# Altium PCB LimeSDR-Micro_mPCIe_1v3.PcbDoc (part 1 of 9) (continued)
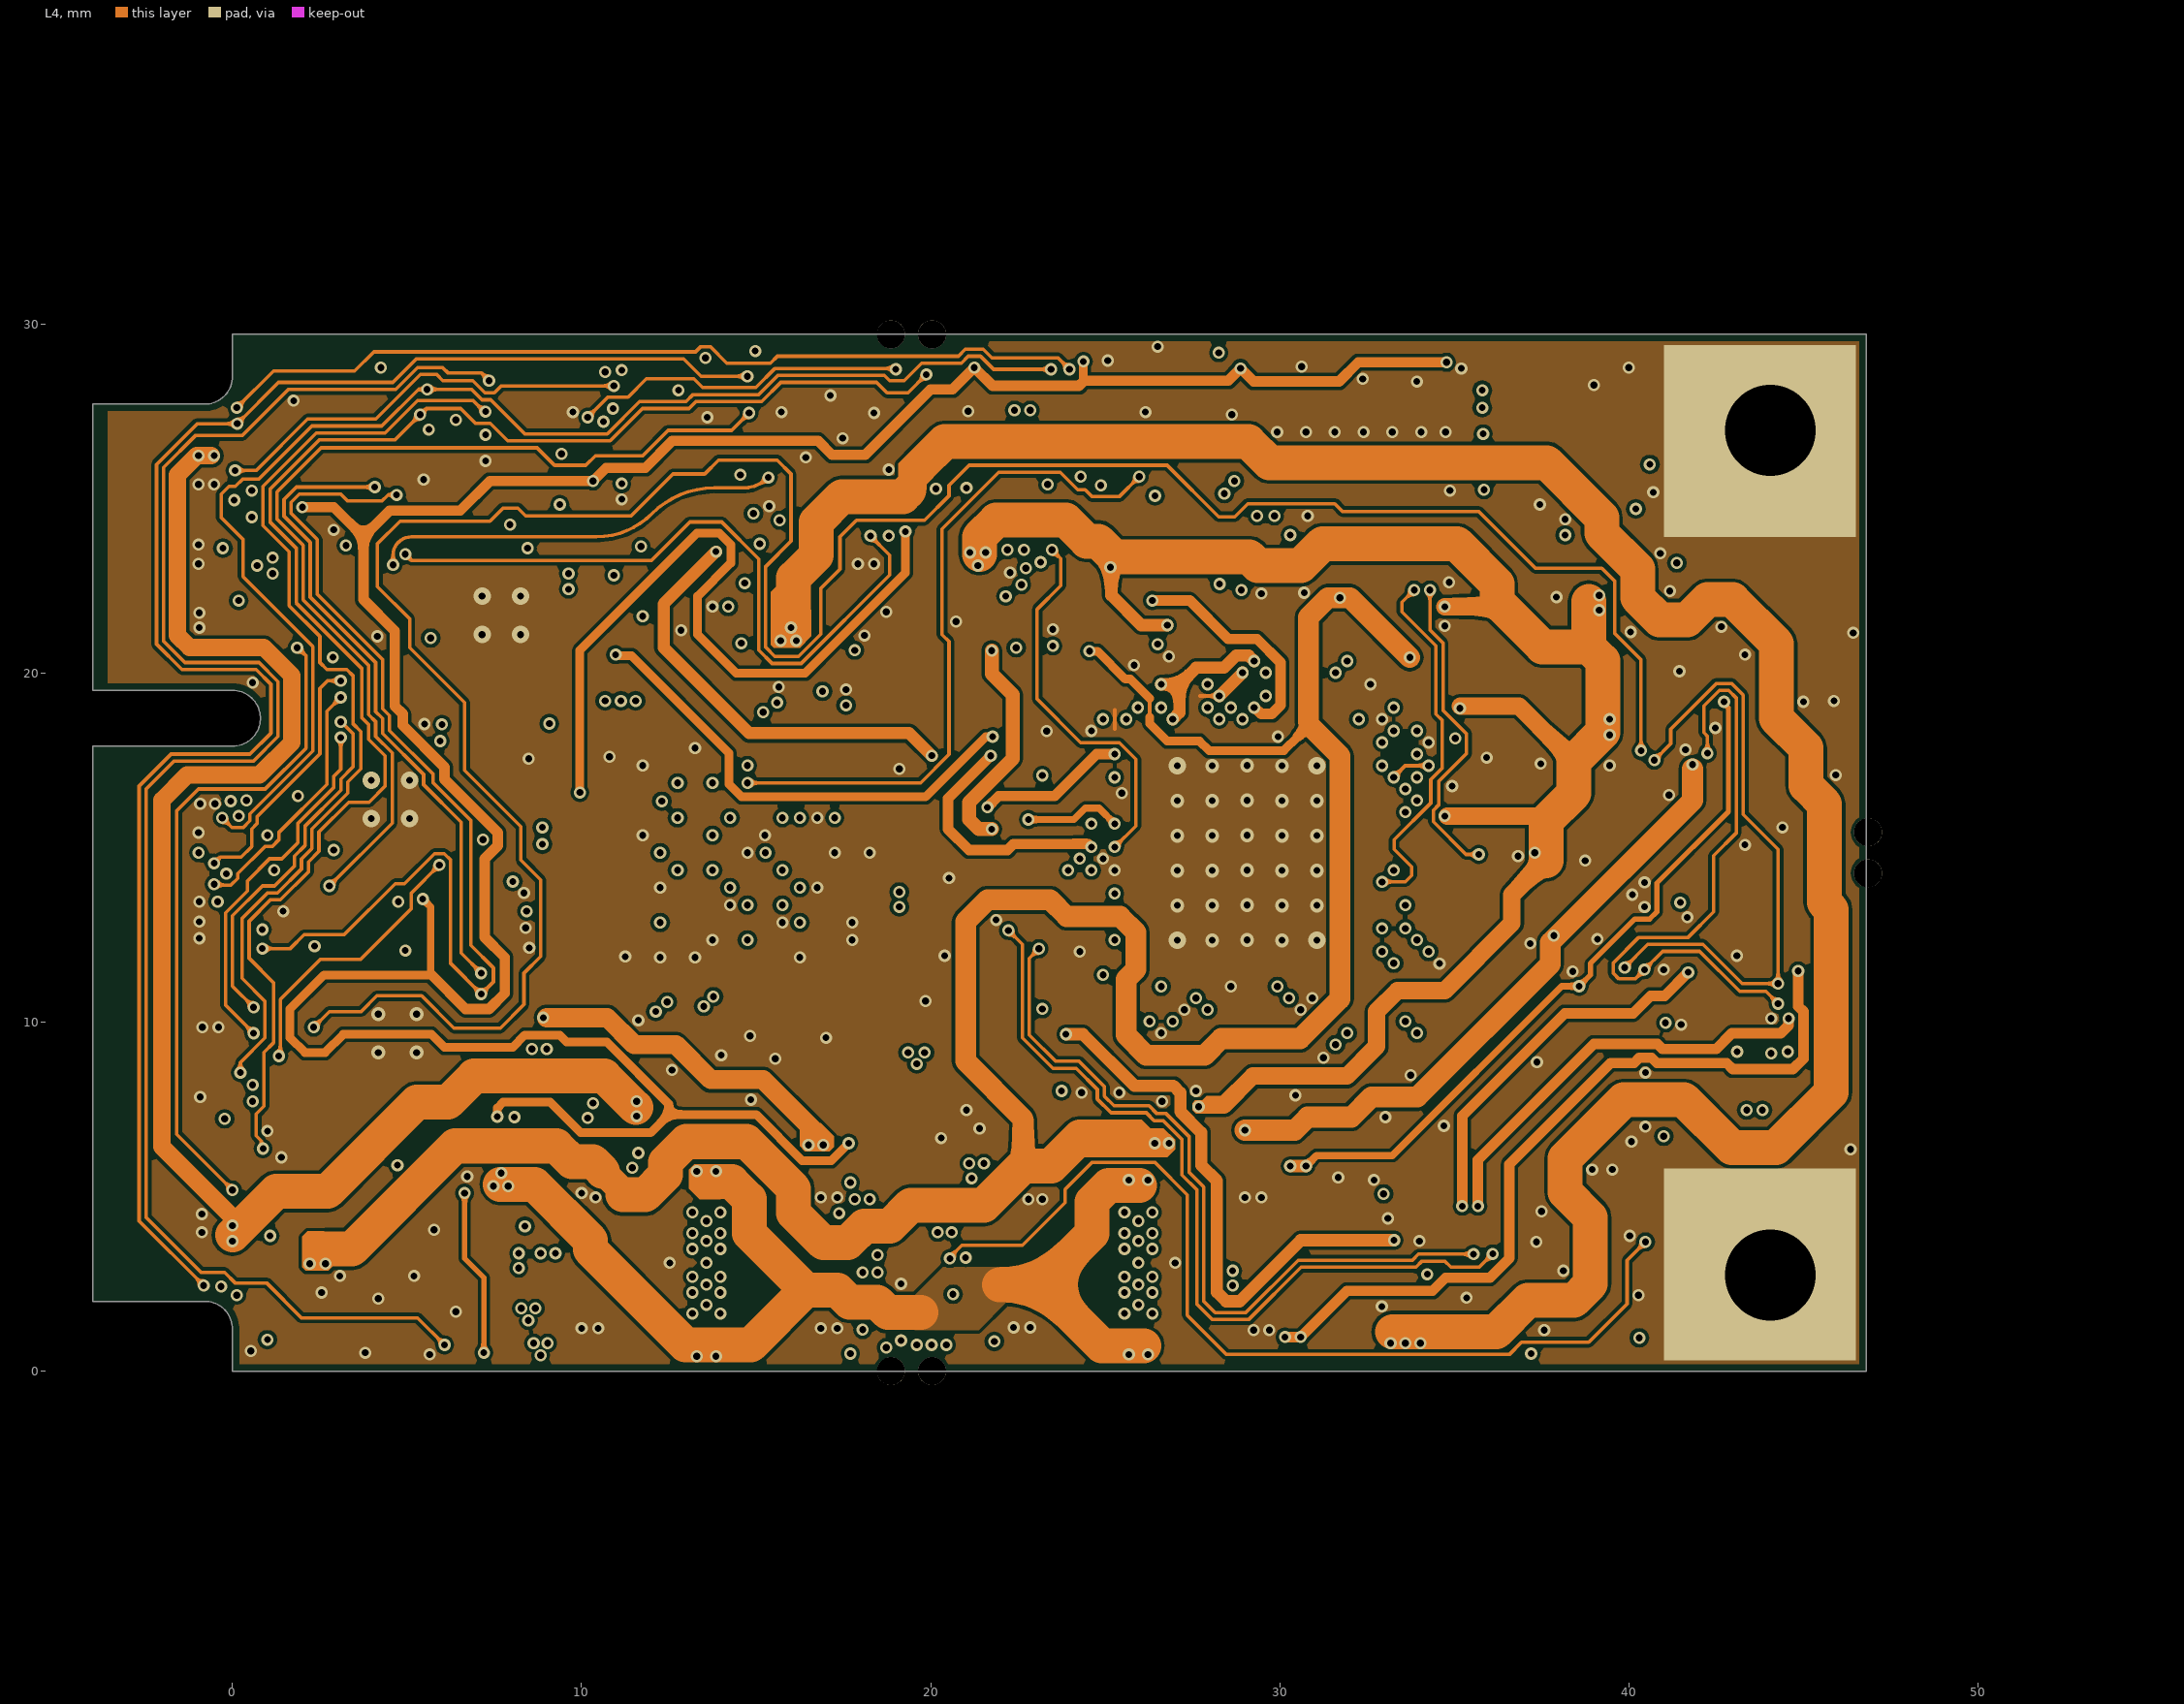
[diagram p4: L4]
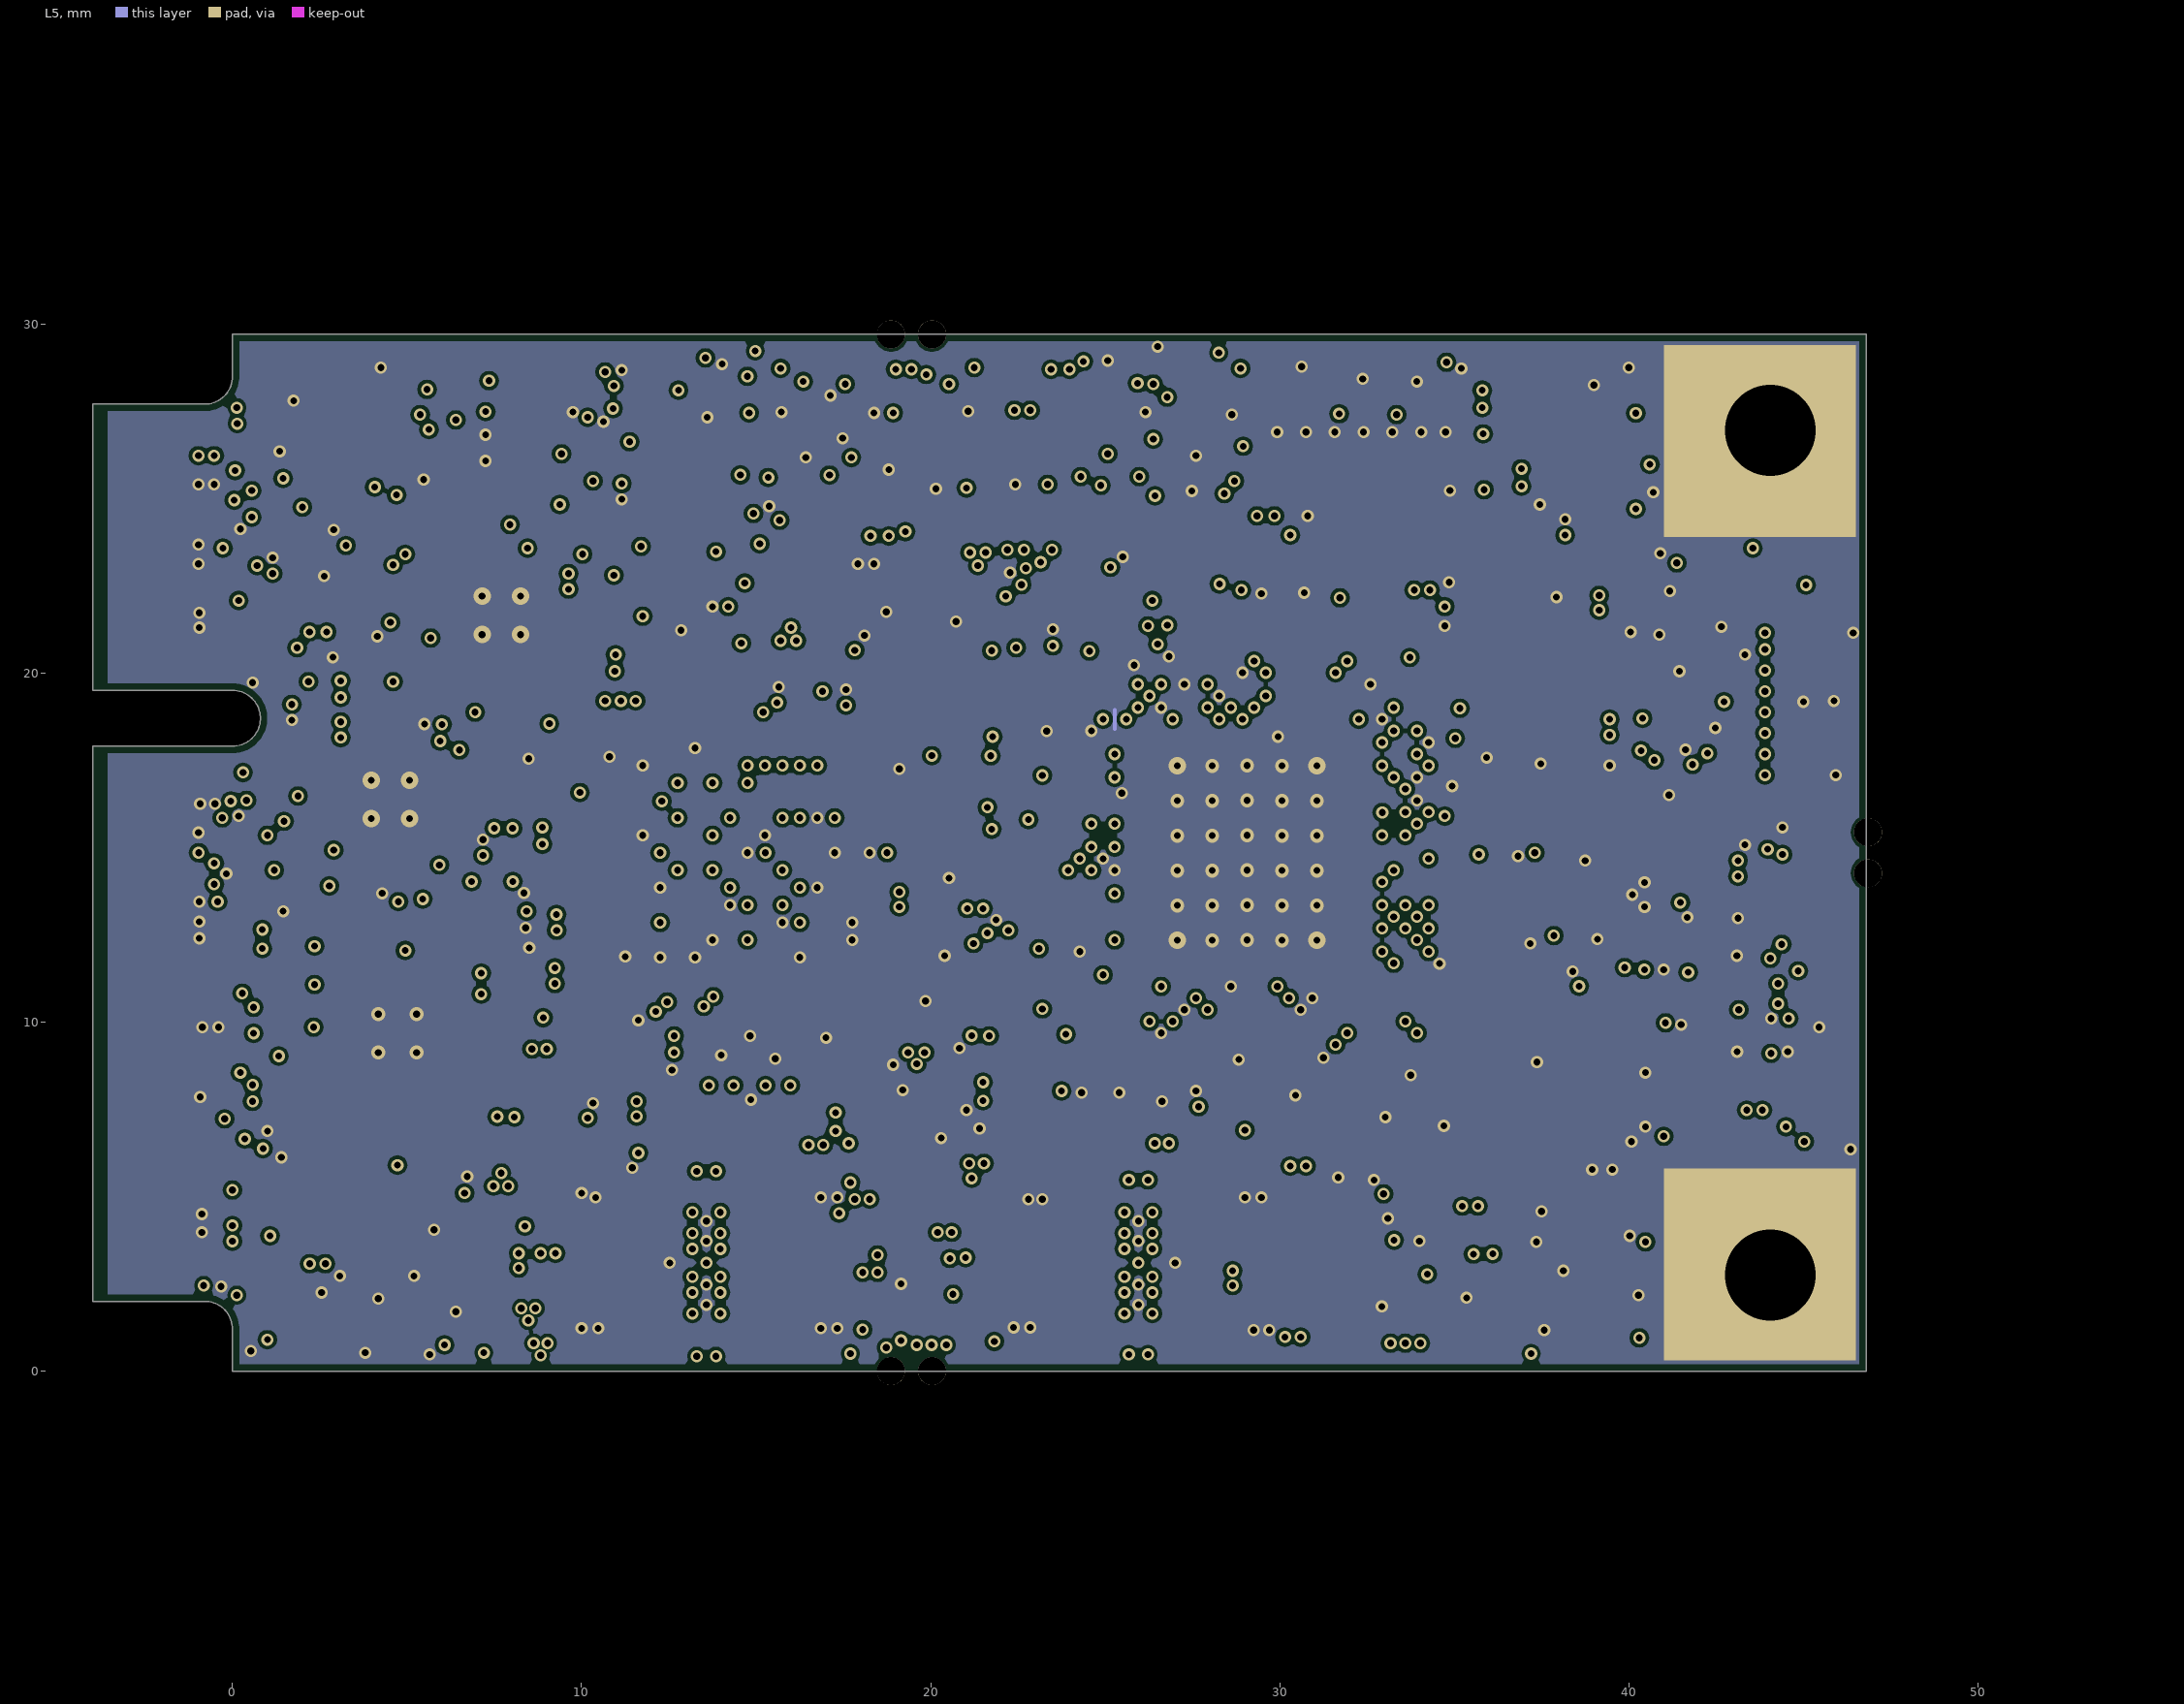
[diagram p5: L5]
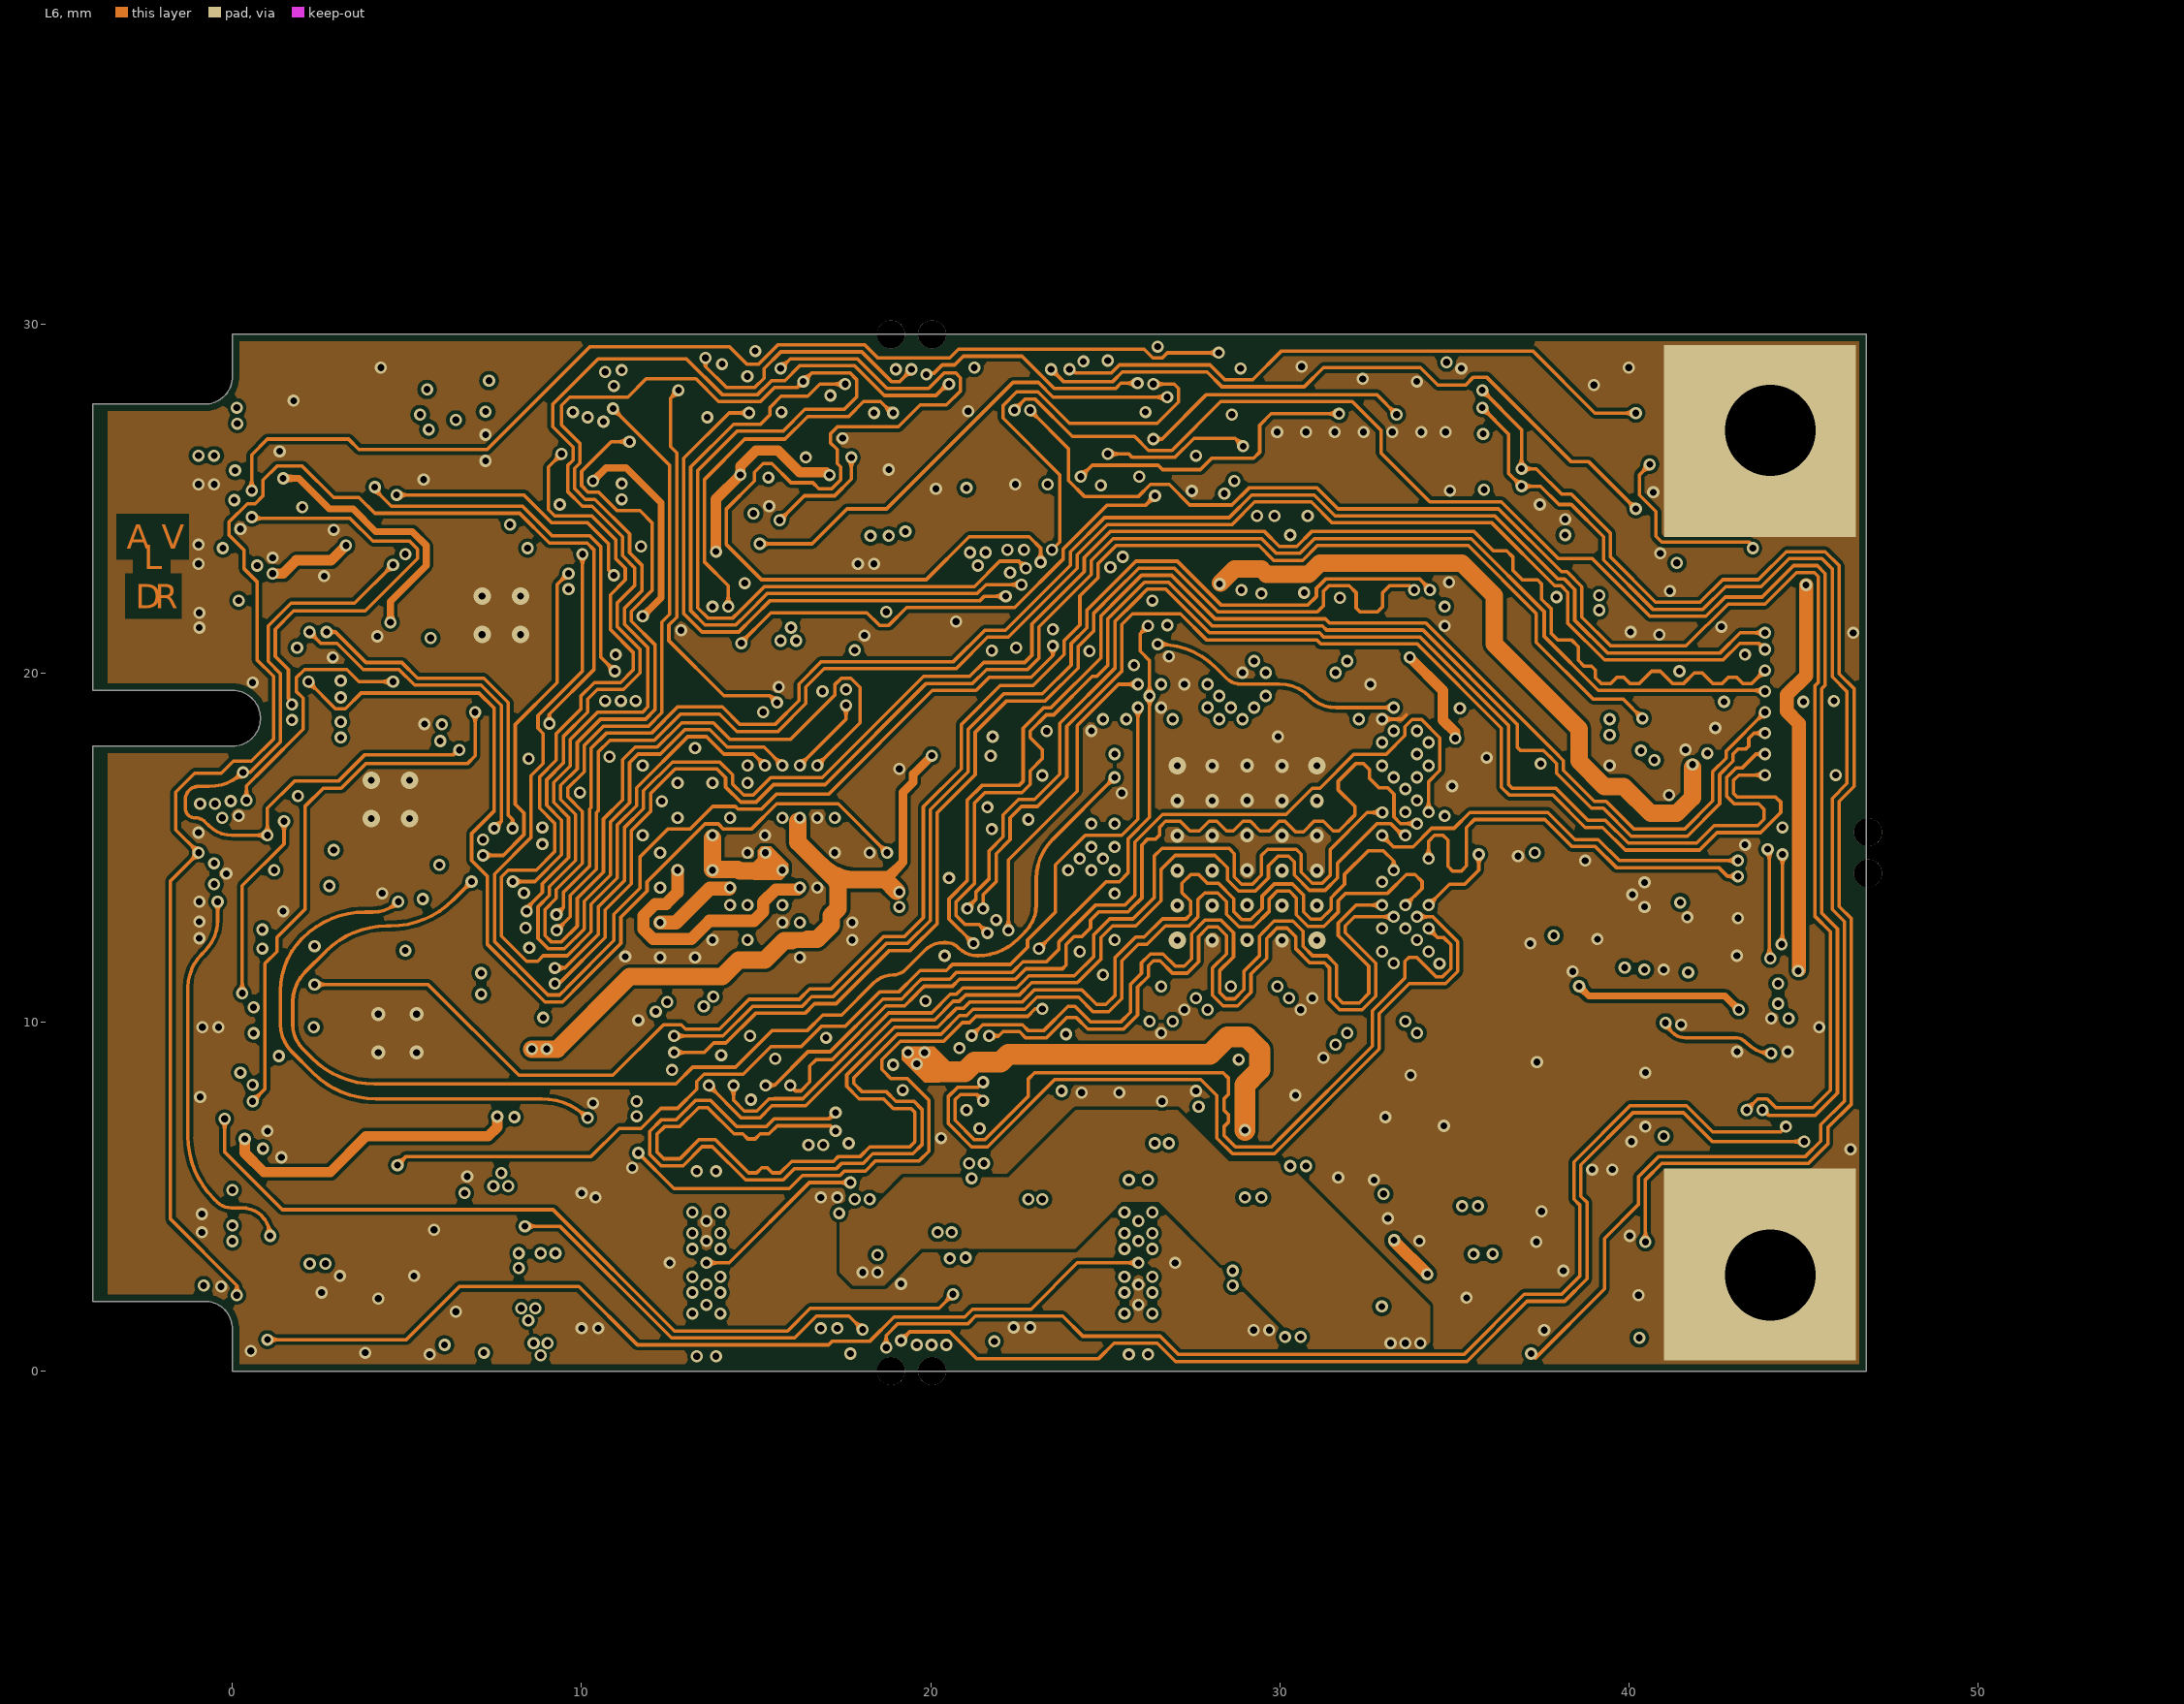
[diagram p6: L6]